# Allegro board RK3588S_Tablet_Demo_LP4XD200P232SD10H2_V11_20220218.brd (continued)
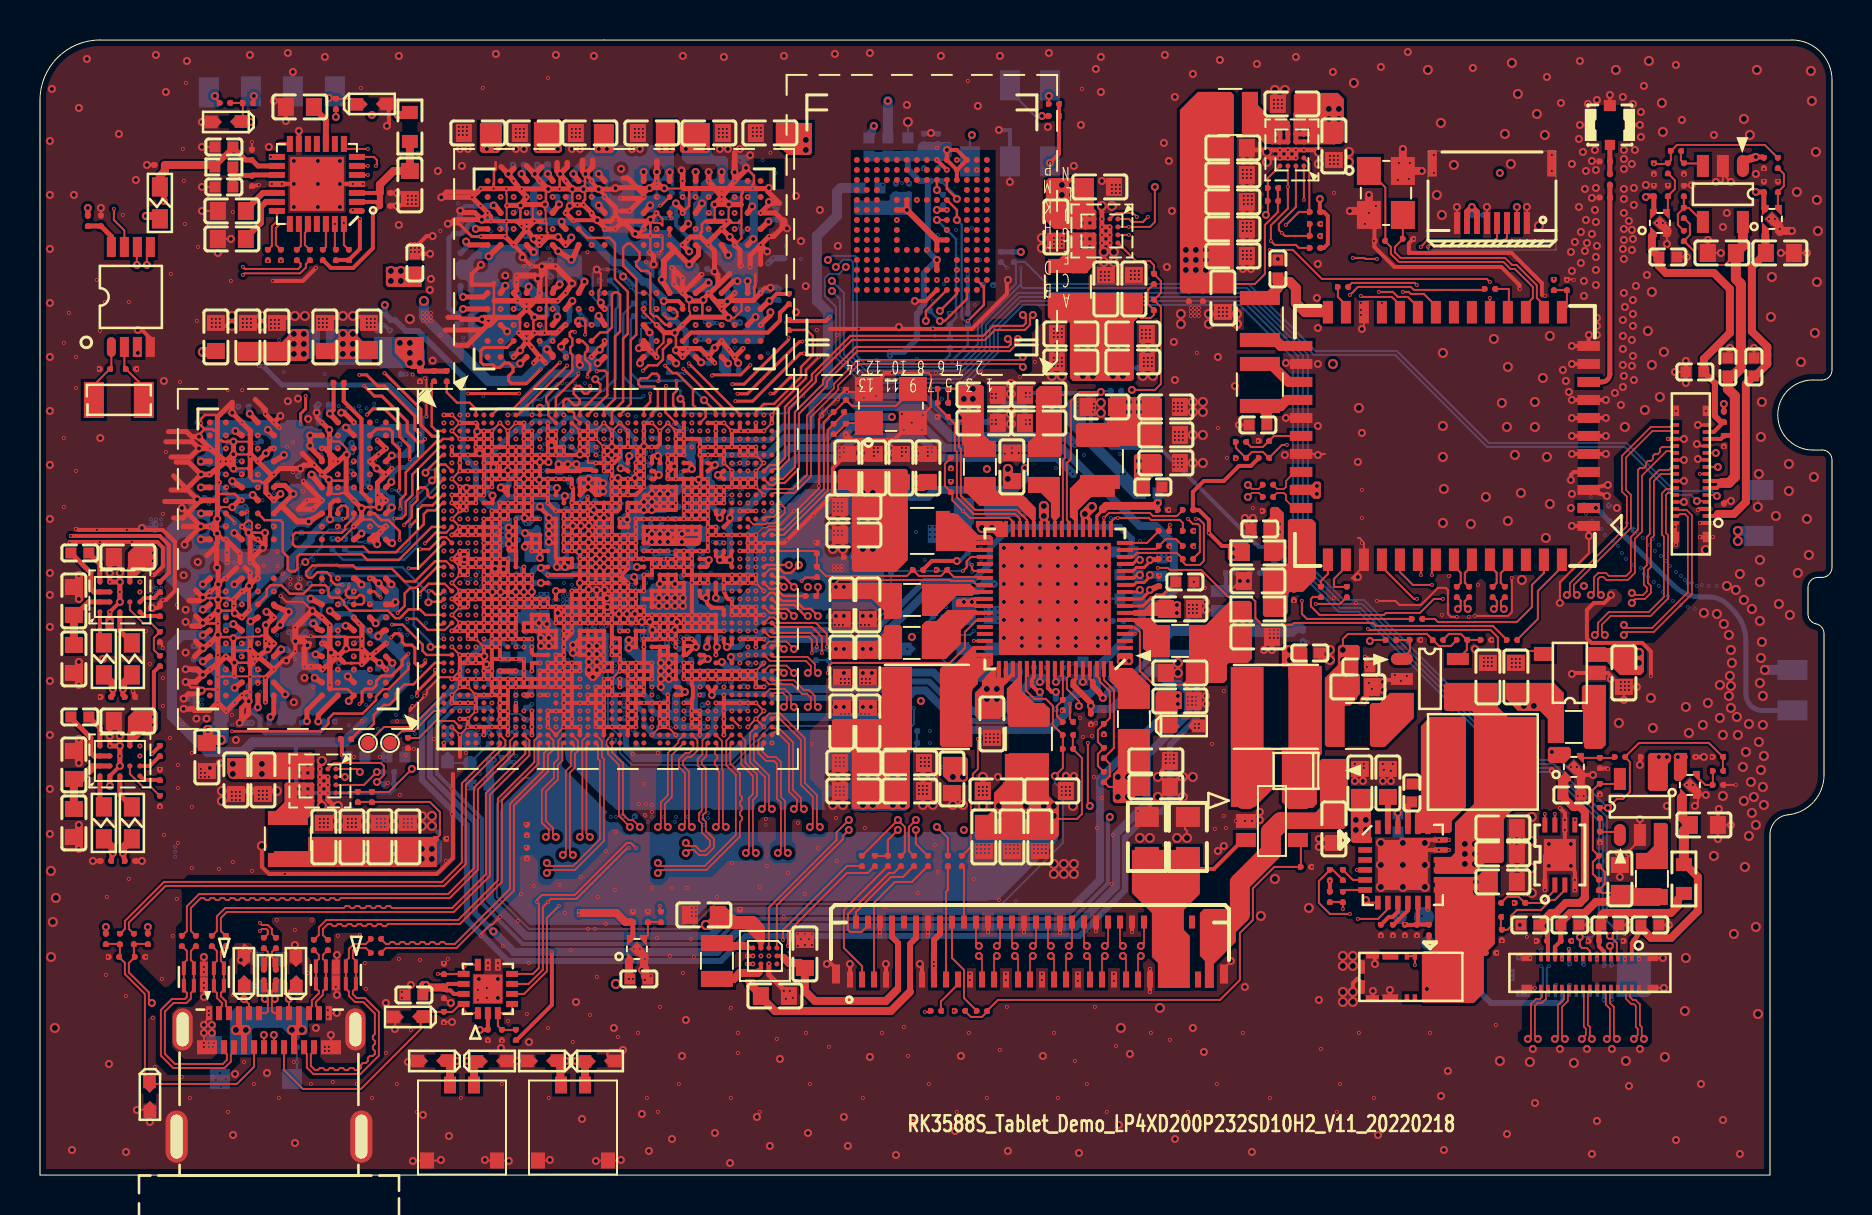
[diagram p0: board, top side]
## Routing (per net, layer and track width the routed paths; a pad name or vN(x,y) marks a point on that pad's centre or on a via; arc(x,y) is an arc through that point) (continued)
v5(29.99,51.3) v5(30.09,10.25) v5(30.09,3.05) v5(30.44,1.2) v5(31.6,1.8) v5(32.1,5.95) v5(32.14,55.95) v5(32.29,7.75) v5(33.74,2.1) v5(33.99,51.3) v5(34.19,55.9) v5(34.39,51.3) v5(34.5,0.6) v5(34.99,51.3) v5(35.84,2.9) v5(36.49,1.45) v5(36.99,5.8) v5(37.19,55.95) v5(37.35,47.33) v5(37.79,48.95) v5(38.05,46.69) v5(38.29,44.45) v5(38.39,29.4) v5(38.4,2.1) v5(38.99,48.25) v5(39.74,56.05) v5(39.89,46.45) v5(40.19,27.95) v5(40.19,25.1) v5(40.19,2.9) v5(40.39,1.45) v5(41.14,27.95) v5(41.14,25.1) v5(41.49,56.1) v5(41.49,5.9) v5(41.59,25.1) v5(42.8,1) v5(42.94,42.4) v5(43.34,53.5) v5(43.59,26.9) v5(43.64,2.6) v5(43.79,36.3) v5(43.79,35.85) v5(45.04,55.95) v5(45.75,2.2) v5(46.04,5.95) v5(46.89,53.45) v5(47.89,19.9) v5(47.99,55.95) v5(48.19,31.35) v5(48.19,30.45) v5(48.19,29.55) v5(48.19,28.65) v5(48.19,27.75) v5(48.19,26.85) v5(48.39,1.2) v5(49.09,31.35) v5(49.09,30.45) v5(49.09,29.55) v5(49.09,28.65) v5(49.09,27.75) v5(49.09,26.85) v5(49.09,26.45) v5(49.99,31.35) v5(49.99,30.45) v5(49.99,29.55) v5(49.99,28.65) v5(49.99,27.75) v5(49.99,26.85) v5(49.99,26.45) v5(50.14,5.95) v5(50.39,52.4) v5(50.44,56.1) v5(50.89,31.35) v5(50.89,30.45) v5(50.89,29.55) v5(50.89,28.65) v5(50.89,27.75) v5(50.89,26.85) v5(50.89,26.45) v5(51.29,19.95) v5(51.69,50.45) v5(51.69,19.95) v5(51.79,31.35) v5(51.79,30.45) v5(51.79,29.55) v5(51.79,28.65) v5(51.79,27.75) v5(51.79,26.85) v5(52.04,52.5) v5(51.95,1.1) v5(52.79,55.3) v5(52.89,31.35) v5(52.89,30.45) v5(52.89,29.55) v5(52.89,28.65) v5(52.89,27.75) v5(52.89,26.85) v5(52.89,26.45) v5(53.04,55.9) v5(53.04,54.15) v5(53.09,49.7) v5(53.29,31.35) v5(53.29,30.45) v5(53.29,29.55) v5(53.29,26.85) v5(53.94,2.5) v5(54.49,6.05) v5(56.19,51.6) v5(56.24,56) v5(56.34,45.4) v5(56.44,50.7) v5(56.59,48.2) v5(56.69,41.65) v5(56.74,53.9) v5(56.74,39.75) v5(56.75,1.8) v5(57.64,55.05) v5(57.64,7.35) v5(58.19,6.15) v5(58.29,28.65) v5(58.29,23.95) v5(58.89,40.9) v5(58.89,16.2) v5(58.99,55.75) v5(59.19,16.45) v5(59.74,39.45) v5(60.14,50.7) v5(60.14,48) v5(60.14,46.65) v5(60.14,45.3) v5(60.24,9.4) v5(60.54,50.7) v5(60.54,48) v5(60.54,46.65) v5(60.54,45.3) v5(60.59,1.15) v5(60.84,55.55) v5(60.99,18.15) v5(61.19,26.25) v5(61.89,45.8) v5(62.29,40.6) v5(62.79,55.9) v5(63.89,45.55) v5(63.84,43.85) v5(63.89,42.35) v5(63.89,40.55) v5(63.89,37.45) v5(63.94,8.75) v5(64.64,55.15) v5(65.74,19.7) v5(65.89,35.65) v5(66.09,37.1) v5(66.9,2) v5(67.04,55.4) v5(67.14,19.7) v5(68.39,56.15) v5(70.05,3.95) v5(70.19,1.25) v5(70.39,5.2) v5(71.64,55.35) v5(71.74,26.3) v5(73.35,2.05) v5(73.99,12.5) v5(74.64,6.3) v5(74.75,3.6) v5(75.34,54.9) v5(75.44,16.55) v5(75.44,15.45) v5(76.04,53.6) v5(75.99,6.3) v5(76.14,40.25) v5(76.29,39.7) v5(76.44,39.15) v5(76.54,46.15) v5(76.54,33.35) v5(76.54,16.55) v5(76.54,15.45) v5(76.59,50.55) v5(76.59,45.2) v5(76.59,34.05) v5(76.74,46.65) v5(76.94,51.8) v5(76.94,48.4) v5(76.99,55.7) v5(77.04,47.15) v5(77.04,45.6) v5(77.14,51.15) v5(77.19,44.7) v5(77.19,43.95) v5(77.19,29.45) v5(77.29,50.2) v5(77.24,49.3) v5(77.29,47.75) v5(77.24,46.2) v5(77.39,53.55) v5(77.34,46.6) v5(77.34,6.3) v5(77.59,47.05) v5(77.59,1.05) v5(77.74,51.25) v5(77.79,50.25) v5(77.79,49.35) v5(77.74,48.25) v5(77.79,47.65) v5(77.79,45.9) v5(77.79,45.25) v5(77.79,44.5) v5(77.84,53.75) v5(77.84,46.45) v5(77.84,42.85) v5(77.84,42.45) v5(77.84,42) v5(77.85,2.7) v5(78.59,6.3) v5(78.74,39.1) v5(78.84,33.35) v5(79.04,38.5) v5(79.14,53.9) v5(79.19,51.25) v5(79.19,50.8) v5(79.19,50.3) v5(79.19,49.3) v5(79.19,48.8) v5(79.19,48.1) v5(79.19,47.3) v5(79.19,46.75) v5(79.14,46.3) v5(79.19,45.8) v5(79.19,44.1) v5(79.14,42.75) v5(79.14,41.95) v5(79.14,41.3) v5(79.14,40.5) v5(79.19,39.95) v5(79.14,39.4) v5(79.24,43.4) v5(79.44,47.7) v5(79.45,4.45) v5(79.64,53.55) v5(79.59,50.55) v5(79.59,47.25) v5(79.64,46.8) v5(79.59,46.25) v5(79.64,43.75) v5(79.64,43.05) v5(79.64,42.45) v5(79.59,41.75) v5(79.64,40.95) v5(79.59,40.45) v5(79.69,49.35) v5(79.69,48.5) v5(79.69,39.75) v5(79.74,51.25) v5(79.79,44.45) v5(80.04,53.15) v5(80.04,51.9) v5(79.99,6.3) v5(80.19,54.45) v5(80.29,49.5) v5(80.34,45) v5(81.34,18.45) v5(81.79,55.5) v5(81.8,1.75) v5(82.09,52.75) v5(83.05,4.55) v5(83.69,52) v5(84.14,47.4) v5(84.15,2.75) v5(84.34,48.1) v5(84.99,1.05) v5(85.79,50.05) v6(3.34,13.9) v6(3.29,10) v6(4.44,14.8) v6(5.64,7.85) v6(5.74,5.4) v6(6.09,9.8) v6(6.64,11.95) v6(6.84,13.8) v6(7.09,4.9) v6(7.14,51.3) v6(7.19,49.7) v6(7.29,54.6) v6(7.24,47.55) v6(7.59,15.35) v6(8.04,20.3) v6(8.04,20.1) v6(8.04,19.9) v6(8.19,10.15) v6(8.19,9.6) v6(8.24,20.1) v6(8.24,19.9) v6(8.44,8.2) v6(8.44,8) v6(8.44,6.6) v6(8.44,6.4) v6(8.59,42.8) v6(8.59,42.6) v6(8.59,42.4) v6(8.64,6.4) v6(8.64,4.9) v6(8.69,6.6) v6(8.79,42.8) v6(8.79,42.4) v6(8.99,42.8) v6(8.99,42.6) v6(8.99,42.4) v6(8.94,15.3) v6(9.64,15.65) v6(9.64,9) v6(10.14,42.8) v6(10.14,42.6) v6(10.14,42.4) v6(10.19,5.65) v6(10.34,42.8) v6(10.34,42.6) v6(10.34,42.4) v6(10.54,42.8) v6(10.54,42.6) v6(10.54,42.4) v6(10.59,15.2) v6(10.79,9.45) v6(11.54,42.75) v6(11.54,42.55) v6(11.54,42.35) v6(11.74,42.75) v6(11.74,42.55) v6(11.74,42.35) v6(11.84,12.75) v6(11.94,42.75) v6(11.94,42.55) v6(11.94,42.35) v6(12.19,9.45) v6(12.24,15.05) v6(12.74,12.25) v6(12.69,5.65) v6(13.04,8.8) v6(13.39,10.1) v6(13.59,12.75) v6(13.94,42.8) v6(13.94,42.6) v6(13.94,42.4) v6(14.14,42.8) v6(14.14,42.6) v6(14.14,42.4) v6(14.24,6.4) v6(14.24,6.2) v6(14.34,42.8) v6(14.34,42.6) v6(14.34,42.4) v6(14.39,19.5) v6(14.39,19.1) v6(14.39,8.25) v6(14.39,7.9) v6(14.49,24.5) v6(14.44,6.4) v6(14.44,6.2) v6(14.64,4.65) v6(14.89,11.95) v6(15.99,12) v6(16.09,22.7) v6(16.24,10.6) v6(16.34,42.8) v6(16.34,42.6) v6(16.34,42.4) v6(16.29,9.3) v6(16.54,42.8) v6(16.54,42.6) v6(16.54,42.4) v6(16.74,42.8) v6(16.74,42.6) v6(16.74,42.4) v6(17.29,6.1) v6(17.85,22.69) v6(17.94,10.8) v6(18.09,9.15) v6(18.09,8.85) v6(18.39,48.95) v6(18.39,48.75) v6(18.39,48.55) v6(18.59,48.95) v6(18.59,48.75) v6(18.59,48.55) v6(18.54,46.55) v6(18.54,46.35) v6(18.54,46.15) v6(18.54,7.25) v6(18.74,46.55) v6(18.79,48.95) v6(18.79,48.75) v6(18.79,48.55) v6(18.84,3.15) v6(18.94,46.55) v6(18.94,46.35) v6(18.94,46.15) v6(18.99,39.65) v6(18.99,10.75) v6(19.14,43.1) v6(19.14,42.9) v6(19.14,42.7) v6(19.34,43.1) v6(19.34,42.9) v6(19.34,42.7) v6(19.54,43.1) v6(19.54,42.9) v6(19.54,42.7) v6(20.19,10.6) v6(20.19,7.6) v6(20.34,16.83) v6(20.39,10.8) v6(20.59,18.05) v6(20.94,52.4) v6(20.94,52.2) v6(20.94,52) v6(20.94,20.25) v6(21.14,52.4) v6(21.14,52.2) v6(21.14,52) v6(21.34,52.4) v6(21.34,52.2) v6(21.34,52) v6(21.41,25.99) v6(21.89,9.25) v6(21.89,8.75) v6(22.4,10.6) v6(22.4,10.35) v6(22.34,9.35) v6(22.34,8.85) v6(22.9,10.6) v6(22.9,10.35) v6(23.14,11.45) v6(23.39,7.7) v6(23.79,52.3) v6(23.79,52.1) v6(23.79,51.9) v6(23.89,12.7) v6(23.99,52.3) v6(23.99,52.1) v6(23.99,51.9) v6(24.04,14.05) v6(24.19,52.3) v6(24.19,52.1) v6(24.19,51.9) v6(24.35,16.95) v6(24.35,15.8) v6(24.44,10.6) v6(24.34,8.05) v6(24.69,14.45) v6(25.39,7.35) v6(25.99,14.5) v6(26.24,13.1) v6(26.54,11.25) v6(26.59,52.3) v6(26.59,52.1) v6(26.59,51.9) v6(26.64,6.65) v6(26.79,52.3) v6(26.79,52.1) v6(26.79,51.9) v6(26.99,52.3) v6(26.99,52.1) v6(26.99,51.9) v6(27.04,14.9) v6(27.49,8) v6(27.84,9.9) v6(27.89,13.9) v6(28.29,16.2) v6(28.29,12.55) v6(28.74,14.25) v6(28.79,17.15) v6(28.89,6.9) v6(29.64,21.05) v6(29.64,13.2) v6(29.74,52.3) v6(29.74,52.1) v6(29.74,51.9) v6(29.94,52.3) v6(29.94,52.1) v6(29.94,51.9) v6(30.14,52.3) v6(30.14,52.1) v6(30.14,51.9) v6(30.19,23.6) v6(30.19,19.55) v6(30.29,18.55) v6(30.24,18) v6(30.39,13.2) v6(30.59,18.5) v6(30.59,18.15) v6(30.59,14.35) v6(30.89,21.1) v6(30.99,8.4) v6(31.49,10.95) v6(31.59,14.35) v6(32.34,14.35) v6(32.59,33.6) v6(32.69,10.9) v6(33.94,52.3) v6(33.94,52.1) v6(33.94,51.9) v6(33.84,13.9) v6(34.14,52.3) v6(34.14,52.1) v6(34.14,51.9) v6(34.34,52.3) v6(34.34,52.1) v6(34.34,51.9) v6(34.59,15.6) v6(34.54,8.35) v6(35.64,52.35) v6(35.64,52.15) v6(35.64,51.95) v6(35.84,52.35) v6(35.84,52.15) v6(35.84,51.95) v6(35.99,14.4) v6(36.04,52.35) v6(36.04,52.15) v6(36.04,51.95) v6(36.29,17.8) v6(36.34,15.45) v6(36.59,21.6) v6(37.19,12.9) v6(37.34,31.75) v6(37.39,15.1) v6(37.89,17.6) v6(38.24,14.05) v6(38.59,21.55) v6(38.69,32.95) v6(38.74,31.65) v6(38.84,42.25) v6(38.89,16.35) v6(39.34,33.7) v6(39.69,33.6) v6(39.69,33.4) v6(39.69,33.2) v6(39.69,32.2) v6(39.69,32) v6(39.69,30.45) v6(39.69,30.25) v6(39.74,27.5) v6(39.84,42) v6(39.79,20.85) v6(39.79,20.65) v6(39.79,20.45) v6(39.79,19.4) v6(39.79,19.2) v6(39.79,19) v6(39.79,17.85) v6(39.84,15.7) v6(39.89,33.6) v6(39.89,33.4) v6(39.89,33.2) v6(39.89,32.2) v6(39.89,32) v6(39.89,30.45) v6(39.89,30.25) v6(39.99,36.35) v6(39.99,36.1) v6(39.99,35.9) v6(39.94,27.5) v6(39.99,20.85) v6(39.99,20.65) v6(39.99,20.45) v6(39.99,19.4) v6(39.99,19.2) v6(39.99,19) v6(40.09,33.6) v6(40.09,33.4) v6(40.09,33.2) v6(40.09,32.2) v6(40.09,32) v6(40.09,30.45) v6(40.09,30.25) v6(40.04,24.8) v6(40.04,24.6) v6(40.04,23.05) v6(40.19,36.35) v6(40.14,27.5) v6(40.24,24.8) v6(40.24,24.6) v6(40.24,23.05) v6(40.19,20.85) v6(40.19,20.65) v6(40.19,20.45) v6(40.19,19.4) v6(40.19,19.2) v6(40.19,19) v6(40.44,24.8) v6(40.44,24.6) v6(40.44,23.05) v6(41.04,27.5) v6(41.09,24.8) v6(41.09,24.6) v6(41.04,23.05) v6(41.24,27.5) v6(41.24,23.05) v6(41.24,17.35) v6(41.29,24.8) v6(41.29,24.6) v6(41.44,27.5) v6(41.49,24.8) v6(41.49,24.6) v6(41.44,23.05) v6(41.69,36.35) v6(41.69,36.15) v6(41.69,35.95) v6(41.89,36.35) v6(41.89,36.15) v6(42.24,13.4) v6(43.09,36.35) v6(43.09,36.15) v6(43.09,35.95) v6(43.19,7.4) v6(43.29,36.35) v6(43.29,36.15) v6(43.89,14.1) v6(43.94,19.45) v6(43.94,19.25) v6(43.94,19.05) v6(44.04,20.85) v6(44.04,20.65) v6(44.04,20.45) v6(44.24,20.85) v6(44.24,20.65) v6(44.24,20.45) v6(44.14,19.45) v6(44.14,19.25) v6(44.14,19.05) v6(44.34,19.45) v6(44.34,19.25) v6(44.34,19.05) v6(44.39,36.35) v6(44.39,36.15) v6(44.39,35.95) v6(44.44,20.85) v6(44.44,20.65) v6(44.44,20.45) v6(44.59,36.35) v6(44.59,36.15) v6(44.79,40.1) v6(44.84,37.9) v6(44.79,30.25) v6(44.74,16.5) v6(44.85,51.35) v6(44.89,15.15) v6(44.89,13.5) v6(45.54,35.3) v6(45.54,34.7) v6(46.39,54.7) v6(46.69,14.8) v6(46.84,16.5) v6(46.84,16.3) v6(46.84,16.1) v6(46.74,13.5) v6(47.04,40.15) v6(46.94,19.4) v6(46.94,19.2) v6(46.94,19) v6(47.04,16.5) v6(47.04,16.3) v6(47.04,16.1) v6(47.14,19.4) v6(47.14,19.2) v6(47.14,19) v6(47.29,22.05) v6(47.29,21.85) v6(47.29,21.65) v6(47.34,19.4) v6(47.34,19.2) v6(47.34,19) v6(47.24,16.5) v6(47.24,16.3) v6(47.24,16.1) v6(47.49,22.05) v6(47.49,21.85) v6(47.49,21.65) v6(47.44,16.5) v6(47.44,16.3) v6(47.44,16.1) v6(47.59,39.05) v6(47.59,38.85) v6(47.59,37.75) v6(47.59,37.55) v6(47.69,22.05) v6(47.69,21.85) v6(47.69,21.65) v6(47.79,39.05) v6(47.79,38.85) v6(47.79,37.75) v6(47.79,37.55) v6(47.89,22.05) v6(47.89,21.85) v6(47.89,21.65) v6(47.94,13.75) v6(48.24,36.05) v6(48.29,16.5) v6(48.29,16.3) v6(48.29,16.1) v6(48.34,8.4) v6(48.49,16.5) v6(48.49,16.3) v6(48.49,16.1) v6(48.59,36.35) v6(48.59,36.1) v6(48.69,16.5) v6(48.69,16.3) v6(48.69,16.1) v6(48.89,16.5) v6(48.89,16.3) v6(48.89,16.1) v6(48.99,39.9) v6(48.94,36.1) v6(49.29,39.1) v6(49.29,38.9) v6(49.29,37.75) v6(49.29,37.55) v6(49.49,39.1) v6(49.49,38.9) v6(49.49,37.75) v6(49.49,37.55) v6(49.69,16.5) v6(49.69,16.3) v6(49.69,16.1) v6(49.74,40.65) v6(49.89,16.5) v6(49.89,16.3) v6(49.89,16.1) v6(50.09,16.5) v6(50.09,16.3) v6(50.09,16.1) v6(50.29,16.5) v6(50.29,16.3) v6(50.29,16.1) v6(51.09,23.2) v6(51.09,19.4) v6(51.09,19.2) v6(51.09,19) v6(51.29,19.4) v6(51.29,19.2) v6(51.29,19) v6(51.49,19.4) v6(51.49,19.2) v6(51.49,19) v6(52,22.85) v6(51.99,13.6) v6(52.09,54.3) v6(52.15,21.9) v6(52.64,38.15) v6(52.55,22.5) v6(52.6,21.95) v6(52.69,38.55) v6(52.69,38.35) v6(52.69,19.9) v6(52.8,22.6) v6(52.84,17.35) v6(52.74,8.4) v6(53.09,18.85) v6(53.19,23.2) v6(53.19,22) v6(53.59,49.5) v6(53.59,49.3) v6(53.59,49.1) v6(53.64,17) v6(53.59,14.55) v6(53.79,49.5) v6(53.79,49.3) v6(53.79,49.1) v6(53.99,49.5) v6(53.99,49.3) v6(53.99,49.1) v6(54.89,18.2) v6(56.29,21) v6(56.29,20.8) v6(56.29,20.6) v6(56.49,21) v6(56.49,20.8) v6(56.49,20.6) v6(56.69,38.6) v6(56.69,38.4) v6(56.69,38.2) v6(56.69,35.8) v6(56.69,35.6) v6(56.69,35.4) v6(56.69,21) v6(56.69,20.8) v6(56.69,20.6) v6(56.74,37.15) v6(56.74,36.95) v6(56.74,36.75) v6(56.89,38.6) v6(56.89,38.4) v6(56.89,38.2) v6(56.89,35.8) v6(56.89,35.6) v6(56.89,35.4) v6(56.94,37.15) v6(56.94,36.95) v6(56.94,36.75) v6(57.09,38.6) v6(57.09,38.4) v6(57.09,38.2) v6(57.09,35.8) v6(57.09,35.4) v6(57.14,37.15) v6(57.14,36.95) v6(57.14,36.75) v6(57.39,23.9) v6(57.39,23.7) v6(57.39,23.5) v6(57.59,23.9) v6(57.59,23.7) v6(57.59,23.5) v6(57.69,32.2) v6(57.84,41.1) v6(57.79,23.9) v6(57.79,23.7) v6(57.79,23.5) v6(57.74,22.55) v6(57.74,22.35) v6(57.94,22.55) v6(57.94,22.35) v6(58.24,29.35) v6(58.59,21.55) v6(58.79,18.5) v6(58.74,17.3) v6(58.89,37.35) v6(59.19,24.2) v6(59.19,17.95) v6(59.29,17.35) v6(59.79,17.7) v6(60.14,50.25) v6(60.14,50.05) v6(60.14,49.85) v6(60.19,48.95) v6(60.19,48.75) v6(60.19,48.55) v6(60.14,47.6) v6(60.14,47.4) v6(60.14,47.2) v6(60.34,50.25) v6(60.34,50.05) v6(60.34,49.85) v6(60.34,47.6) v6(60.34,47.4) v6(60.34,47.2) v6(60.39,48.95) v6(60.39,48.75) v6(60.39,48.55) v6(60.54,50.25) v6(60.54,50.05) v6(60.54,49.85) v6(60.54,47.6) v6(60.54,47.4) v6(60.54,47.2) v6(60.59,48.95) v6(60.59,48.75) v6(60.59,48.55) v6(60.59,17.7) v6(61.49,27.25) v6(61.49,27.05) v6(61.49,26.85) v6(61.69,27.25) v6(61.69,27.05) v6(61.69,26.85) v6(61.89,27.25) v6(61.89,27.05) v6(61.89,26.85) v6(62.69,28.7) v6(64.69,49.1) v6(64.69,28.85) v6(65.79,28.6) v6(65.74,20.55) v6(65.74,20.3) v6(66.19,20.55) v6(66.19,20.35) v6(66.44,24.6) v6(66.59,24.3) v6(67.04,11.95) v6(67.14,20.55) v6(67.19,20.25) v6(67.64,20.55) v6(67.64,11.95) v6(67.74,25) v6(68.04,24.7) v6(68.24,11.95) v6(68.34,24.95) v6(68.84,11.95) v6(69.04,26.75) v6(70.09,28) v6(72.19,25.85) v6(72.19,25.65) v6(72.19,25.45) v6(72.39,25.85) v6(72.39,25.65) v6(72.39,25.45) v6(72.59,25.85) v6(72.59,25.65) v6(72.59,25.45) v6(72.79,7.5) v6(73.59,25.8) v6(73.59,25.6) v6(73.59,25.4) v6(73.79,25.8) v6(73.79,25.6) v6(73.79,25.4) v6(73.99,25.8) v6(73.99,25.6) v6(73.99,25.4) v6(74.79,11.7) v6(76.54,20.4) v6(76.84,20.4) v6(76.89,18.95) v6(77.19,18.95) v6(79.04,24.65) v6(79.04,24.45) v6(79.04,24.25) v6(79.14,11.7) v6(79.24,24.65) v6(79.24,24.45) v6(79.24,24.25) v6(79.24,12.05) v6(79.44,24.65) v6(79.44,24.45) v6(79.44,24.25) v6(81.74,32.4) v7(3.99,50.6) v7(5.49,51.2) v7(6.44,53.1) v7(7.09,12.25) v7(7.09,11.7) v7(7.09,11.15) v7(7.19,10.8) v7(7.19,9.9) v7(7.19,9) v7(7.69,10.8) v7(7.69,9.9) v7(7.69,9) v7(7.79,12.2) v7(7.79,11.7) v7(7.79,11.15) v7(7.89,53.6) v7(8.04,38.19) v7(8.59,12.25) v7(8.59,11.7) v7(8.64,11.15) v7(8.69,10.8) v7(8.69,9.9) v7(8.69,9) v7(8.86,30.88) v7(8.89,6) v7(8.97,29.12) v7(9.11,29.99) v7(9.19,32.82) v7(9.16,32.16) v7(9.19,10.8) v7(9.19,9.9) v7(9.19,9) v7(9.26,29.52) v7(9.27,28.16) v7(9.29,12.2) v7(9.29,11.7) v7(9.34,11.15) v7(9.39,8.6) v7(9.44,7.6) v7(9.61,26.5) v7(9.58,25.91) v7(9.71,33.74) v7(9.71,31.55) v7(9.99,5.95) v7(10.11,30.5) v7(10.13,29.99) v7(10.29,54.85) v7(10.38,29.86) v7(10.74,35.32) v7(10.87,29.55) v7(11.38,31.71) v7(11.63,29.55) v7(11.76,32.09) v7(11.79,13.7) v7(12.01,34.44) v7(12.06,31.45) v7(12.29,14.3) v7(12.39,29.04) v7(12.52,34.54) v7(12.9,34.56) v7(13.03,31.07) v7(12.99,14.3) v7(13.24,54.35) v7(13.14,8.15) v7(13.24,5.85) v7(13.41,34.05) v7(13.41,31.07) v7(13.54,34.44) v7(13.49,7.6) v7(13.69,12) v7(13.74,11.5) v7(13.74,9.1) v7(13.79,10.95) v7(13.99,10) v7(13.94,8.55) v7(13.99,6.65) v7(14.09,7.6) v7(14.17,31.33) v7(14.19,29.61) v7(14.17,28.48) v7(14.24,9.1) v7(14.34,10.95) v7(14.39,12) v7(14.49,22.7) v7(14.44,11.5) v7(14.59,10.05) v7(15.24,54.85) v7(15.31,34.56) v7(15.29,10.9) v7(15.29,10) v7(15.29,9.1) v7(15.39,34.18) v7(15.49,9.6) v7(15.69,27.07) v7(15.79,10.9) v7(15.79,10) v7(15.79,9.1) v7(16.2,27.45) v7(16.33,34.69) v7(16.49,10.8) v7(16.54,12.1) v7(16.54,11.4) v7(16.84,31.2) v7(17.04,12.05) v7(17.04,11.45) v7(17.04,10.8) v7(17.22,31.71) v7(17.34,54.35) v7(17.39,11.6) v7(17.52,31.15) v7(17.61,27.86) v7(17.84,13.3) v7(18.11,30.44) v7(19.24,12.95) v7(19.53,30.44) v7(19.63,40.22) v7(20.1,30.44) v7(20.24,13.65) v7(20.29,54.35) v7(20.27,38.57) v7(20.52,38.31) v7(20.79,37.05) v7(20.79,14.2) v7(20.94,37.2) v7(21.49,54.85) v7(22.44,30.55) v7(22.44,30.25) v7(22.4,28.21) v7(22.48,28.66) v7(22.79,31) v7(22.81,27.8) v7(22.94,15.1) v7(23.01,35.14) v7(23.2,28.21) v7(23.19,27.82) v7(23.2,27.41) v7(23.61,27.78) v7(23.6,27.41) v7(23.54,18.7) v7(23.69,13.55) v7(23.84,30.23) v7(24,29.8) v7(23.99,28.2) v7(24.38,29.8) v7(24.46,27.14) v7(24.59,29.8) v7(24.79,35.05) v7(24.79,29.95) v7(24.81,28.61) v7(24.84,15.8) v7(24.97,35.24) v7(24.99,14.85) v7(25.16,34.99) v7(25.19,34.51) v7(25.19,28.58) v7(25.39,35.2) v7(25.54,17.25) v7(25.54,16.5) v7(25.6,25.43) v7(25.73,27.26) v7(25.74,54.35) v7(26.01,35.04) v7(26,27.79) v7(26,27.42) v7(26.29,27) v7(26.24,26.6) v7(26.24,26.2) v7(26.24,25.8) v7(26.39,35.04) v7(26.41,34.6) v7(26.38,27.73) v7(26.41,27.42) v7(26.39,15.6) v7(26.49,28.7) v7(26.49,17.2) v7(26.49,16.6) v7(26.61,36.03) v7(26.59,27.8) v7(26.69,28.9) v7(26.69,28.7) v7(26.82,34.15) v7(26.79,33.81) v7(26.82,32.17) v7(26.79,29.1) v7(26.81,27.73) v7(26.81,27.45) v7(26.82,27.19) v7(27.1,33) v7(27.15,33.79) v7(27.19,27.75) v7(27.2,27.42) v7(27.14,15.7) v7(27.29,29) v7(27.29,28.6) v7(27.24,28.2) v7(27.48,27.29) v7(27.59,29.6) v7(27.59,28.95) v7(27.59,27.8) v7(27.71,27.31) v7(27.79,32.2) v7(27.76,26.88) v7(27.94,32.6) v7(27.94,28.6) v7(27.99,29.6) v7(27.99,28.95) v7(27.99,27.8) v7(28.01,24.6) v7(27.99,17.2) v7(27.99,16.6) v7(28.14,40.98) v7(28.04,28.25) v7(28.17,42.12) v7(28.27,47.82) v7(28.39,49.09) v7(28.39,48.07) v7(28.39,35.75) v7(28.39,32.55) v7(28.39,32.1) v7(28.39,27.8) v7(28.52,47.2) v7(28.54,25.4) v7(28.52,25.18) v7(28.64,54.85) v7(28.59,29.8) v7(28.65,46.31) v7(28.74,33.45) v7(28.7,25.82) v7(28.7,25.61) v7(28.78,27.8) v7(28.79,27.45) v7(28.8,25.38) v7(28.9,40.85) v7(28.9,40.47) v7(28.84,29.8) v7(29.03,45.91) v7(29.03,45.66) v7(29.14,34.15) v7(29.15,31.41) v7(29.16,29.04) v7(29.52,35.12) v7(29.59,34.58) v7(29.56,31.73) v7(29.62,31.43) v7(29.61,27.77) v7(29.79,27.2) v7(29.89,32.25) v7(29.99,35.5) v7(30.04,35) v7(30.02,34.63) v7(29.97,34.22) v7(30.04,28.2) v7(30.19,27.2) v7(30.44,35.75) v7(30.44,25.35) v7(30.44,25.15) v7(30.44,24.95) v7(30.54,35.15) v7(30.45,26.55) v7(30.64,34.65) v7(30.78,26.96) v7(30.81,26.53) v7(30.99,35.55) v7(31.11,26.98) v7(31.14,26.55) v7(31.21,35.39) v7(31.19,30.4) v7(31.19,27.75) v7(31.54,54.85) v7(31.49,26.58) v7(31.59,35.05) v7(31.59,30.8) v7(31.59,30.4) v7(31.89,35.05) v7(31.92,26.25) v7(31.99,31.2) v7(31.99,30.4) v7(32.19,35.1) v7(32.41,32.88) v7(32.39,31.2) v7(32.39,30.4) v7(32.49,34.85) v7(32.46,34.59) v7(32.81,34.2) v7(32.79,31.2) v7(32.84,27.8) v7(32.89,30.5) v7(32.89,16.3) v7(32.99,35.2) v7(33.19,34.6) v7(33.22,34.2) v7(33.19,33.82) v7(33.19,33.45) v7(33.19,25.4) v7(33.19,25.2) v7(33.19,25) v7(33.19,24.8) v7(33.24,14.85) v7(33.39,36.2) v7(33.39,35.2) v7(33.59,36) v7(33.59,34.6) v7(33.6,34.2) v7(33.58,33.79) v7(33.6,33.41) v7(33.59,33.05) v7(33.99,36) v7(33.99,34.6) v7(33.96,34.22) v7(34.01,33.82) v7(34.03,33.41) v7(34.24,30.06) v7(34.29,35.2) v7(34.29,30.3) v7(34.39,54.85) v7(34.36,48.85) v7(34.39,34.6) v7(34.39,29.9) v7(34.59,34.6) v7(34.79,34.8) v7(34.79,34.6) v7(34.79,14.85) v7(34.84,33.1) v7(35.19,34.8) v7(35.25,37.55) v7(35.29,32.8) v7(35.29,32.6) v7(35.51,37.42) v7(35.54,32.7) v7(35.79,35.6) v7(35.79,35.4) v7(35.99,35.5) v7(36.34,28.1) v7(36.74,21.95) v7(36.79,54.35) v7(37.67,38.44) v7(38.09,29.4) v7(39.74,54.85) v7(41.94,54.35) v7(42.79,54.85) v7(43.64,54.45) v7(45.74,52.4) v7(49.89,51.1) v7(51.14,11.9) v7(52.49,51.1) v7(52.94,51.6) v7(55.19,48.4) v7(55.99,46.55) v7(57.24,47.7) v7(59.09,46.5) v7(60.84,33.9) v7(61.34,34.5) v7(61.39,33.9) v7(61.64,44.1) v7(61.64,41.9) v7(61.64,39.15) v7(61.64,37.35) v7(61.89,34.5) v7(61.94,33.9) v7(62.34,35.15) v7(62.34,33.25) v7(62.49,45) v7(62.49,42.6) v7(63.09,34.75) v7(63.09,33.75) v7(63.74,35.15) v7(70.69,31.45) v7(70.79,30.1) v7(70.84,29.7) v7(70.84,29.15) v7(71.14,28.75) v7(71.44,29.65) v7(71.44,29.15) v7(71.59,31.45) v7(71.59,30.1) v7(71.79,28.85) v7(72.29,28.8) v7(72.49,31.45) v7(72.49,30.1) v7(72.64,29.7) v7(72.64,29.15) v7(72.64,27.85) v7(72.99,28.75) v7(73.24,29.65) v7(73.24,29.15) v7(73.24,27.85) v7(73.39,31.45) v7(73.39,30.1) v7(73.49,28.8) v8(8.22,37.1) v8(8.47,36.34) v8(8.6,37.48) v8(8.6,35.71) v8(8.73,34.31) v8(8.98,26.31) v8(9.11,37.74) v8(9.11,31.64) v8(9.85,35.07) v8(9.85,26.56) v8(10,34.33) v8(10.02,26.28) v8(10.61,34.69) v8(10.74,25.55) v8(10.87,34.94) v8(10.87,26.69) v8(11,26.43) v8(11.76,35.83) v8(11.78,32.66) v8(11.76,24.78) v8(11.88,36.34) v8(11.88,35.39) v8(11.88,30.18) v8(11.85,29.89) v8(11.88,25.8) v8(12.01,37.36) v8(12.16,30.65) v8(12.27,36.59) v8(12.33,32.85) v8(12.27,31.58) v8(12.27,25.42) v8(12.39,31.84) v8(12.39,30.06) v8(12.52,37.23) v8(12.72,30.6) v8(12.77,36.72) v8(12.77,24.85) v8(12.77,23.01) v8(12.9,37.61) v8(12.9,36.09) v8(13.03,36.34) v8(13.03,23.83) v8(13.15,23.58) v8(13.28,36.09) v8(13.3,30.12) v8(13.54,34.44) v8(13.54,33.93) v8(13.54,24.47) v8(13.68,31.51) v8(13.66,23.2) v8(13.79,33.87) v8(13.79,33.04) v8(13.81,29.99) v8(13.92,32.4) v8(14.04,33.17) v8(14.04,27.26) v8(14.04,23.96) v8(14.04,21.48) v8(14.17,29.99) v8(14.3,31.01) v8(14.42,23.58) v8(14.42,22.44) v8(14.55,31.01) v8(14.57,29.99) v8(14.81,24.44) v8(14.81,23.2) v8(14.94,22.95) v8(14.99,23.9) v8(15.41,24.01) v8(15.46,31.26) v8(15.82,25.48) v8(15.95,22.49) v8(16.08,36.72) v8(16.08,25.61) v8(16.35,37.3) v8(16.58,39.13) v8(16.73,40.34) v8(16.96,39.07) v8(16.96,36.91) v8(17.22,38.73) v8(17.22,22.56) v8(17.47,38.95) v8(17.66,39.07) v8(17.85,39.2) v8(18.04,40) v8(18.23,37.1) v8(18.36,38.82) v8(18.74,37.1) v8(18.87,24.34) v8(19,37.3) v8(19.25,36.97) v8(19.3,23.25) v8(19.5,38.82) v8(19.5,37.17) v8(19.76,40.34) v8(20.14,46.44) v8(20.52,46.44) v8(20.52,45.42) v8(20.52,40.22) v8(20.64,30.6) v8(20.77,38.57) v8(20.84,30.1) v8(21.03,38.57) v8(21.04,30.45) v8(21.41,45.42) v8(21.54,30.6) v8(21.66,44.53) v8(22.54,32.1) v8(22.54,31.35) v8(22.69,31.95) v8(22.81,44.92) v8(22.79,31.35) v8(22.93,41.36) v8(23.04,33.75) v8(23.19,46.44) v8(23.29,34.05) v8(23.7,39.07) v8(23.82,45.93) v8(23.82,40.09) v8(23.95,47.46) v8(24.33,39.96) v8(24.46,45.42) v8(24.6,23.2) v8(24.71,49.21) v8(24.71,31.31) v8(24.84,48.73) v8(24.84,47.2) v8(25.09,47.33) v8(25.59,21.35) v8(25.74,22.65) v8(26.24,26.95) v8(26.24,26.75) v8(26.24,26.55) v8(26.24,26.35) v8(26.24,26.15) v8(26.24,25.95) v8(26.49,36.3) v8(26.52,32.78) v8(26.54,27.35) v8(26.54,27.1) v8(26.54,23.4) v8(26.44,21.8) v8(26.72,28.91) v8(26.74,27.1) v8(27,41.87) v8(26.94,27.1) v8(27.25,33.99) v8(27.34,21.35) v8(27.38,44.15) v8(27.38,43.14) v8(27.38,33.74) v8(27.63,42.5) v8(27.54,22.5) v8(27.71,35.59) v8(27.76,41.61) v8(28.01,41.87) v8(28.04,21.95) v8(28.27,42.38) v8(28.29,21.35) v8(28.39,44.39) v8(28.39,44.03) v8(28.39,43.63) v8(28.39,42.86) v8(28.39,41.98) v8(28.39,41.09) v8(28.36,32.59) v8(28.36,32.09) v8(28.52,44.9) v8(28.47,35.26) v8(28.65,41.74) v8(28.84,32.05) v8(29.04,31.95) v8(29.24,21.95) v8(29.28,42.25) v8(29.41,30.57) v8(29.54,30.9) v8(29.66,42.74) v8(29.66,33.7) v8(29.66,33.36) v8(29.66,33.11) v8(29.92,44.52) v8(30.05,49.09) v8(30.05,34.12) v8(30.05,32.85) v8(30.19,32.3) v8(30.14,22.45) v8(30.14,22.2) v8(30.3,44.77) v8(30.29,32.85) v8(30.32,28.38) v8(30.81,44.28) v8(30.93,26.68) v8(30.93,26.48) v8(31.06,46.42) v8(31.06,45.79) v8(31.44,44.41) v8(31.57,44.15) v8(31.92,28.05) v8(31.98,26.12) v8(32.33,44.15) v8(32.34,27.55) v8(32.59,49.49) v8(32.59,36.53) v8(32.74,48.2) v8(32.84,44.66) v8(32.97,45.8) v8(32.97,37.04) v8(33.09,45.17) v8(33.09,36.2) v8(33.23,36.51) v8(33.25,35.9) v8(33.35,49.6) v8(33.35,47.33) v8(33.35,46.82) v8(33.35,46.31) v8(33.35,45.93) v8(33.35,36.2) v8(33.47,36.66) v8(34.11,49.6) v8(34.11,44.03) v8(34.24,46.44) v8(34.24,36.66) v8(34.49,45.3) v8(34.49,36.53) v8(34.62,42.5) v8(34.62,37.42) v8(34.74,45.17) v8(34.87,49.74) v8(34.87,36.53) v8(35,44.28) v8(35.13,42.12) v8(35.25,43.14) v8(35.25,38.57) v8(35.51,49.98) v8(35.49,41.34) v8(35.51,40.47) v8(35.51,36.53) v8(35.89,49.6) v8(36.14,37.17) v8(36.78,39.84) v8(38.05,40.09) v8(38.55,42.25) v8(38.55,41.59) v8(38.55,40.6) v9(6.75,16.42) v9(6.75,16.16) v9(6.75,15.91) v9(8.44,33.55) v9(11.01,24.15) v9(11.94,41.75) v9(12.19,40.15) v9(14.04,35.99) v9(14.24,40.05) v9(14.9,26.95) v9(15,33.31) v9(14.94,25.6) v9(15.84,26.69) v9(16.48,23.77) v9(17.99,36.55) v9(18.99,28.9) v9(19.29,27.6) v9(19.94,26.8) v9(20.14,27.01) v9(21.08,42.56) v9(21.39,19.65) v9(21.39,19.35) v9(21.69,19.5) v9(21.99,20.05) v9(22.39,30.55) v9(22.55,47.18) v9(22.69,28.3) v9(22.69,27.65) v9(22.74,24.2) v9(22.79,27.95) v9(22.94,28.25) v9(22.99,23.95) v9(23.06,52.52) v9(23.19,28) v9(23.35,27.04) v9(23.54,24.55) v9(23.79,20.95) v9(24.14,24.55) v9(24.46,41.85) v9(25.6,39.33) v9(26.32,27.8) v9(26.74,39.58) v9(26.69,31.9) v9(27.25,39.58) v9(27.77,28.78) v9(28.54,17.9) v9(28.69,21.75) v9(28.79,17.9) v9(28.89,28.8) v9(28.89,28.6) v9(28.89,28.4) v9(29.09,28.75) v9(29.09,28.55) v9(29.16,38.06) v9(29.22,24.05) v9(29.19,23.75) v9(29.19,23.48) v9(29.22,23.13) v9(29.24,22.88) v9(29.14,17.9) v9(29.29,28.75) v9(29.29,28.55) v9(29.49,28.75) v9(29.49,28.55) v9(29.54,25.43) v9(29.54,25.05) v9(29.49,23.75) v9(29.49,22.85) v9(29.79,37.93) v9(29.79,29.15) v9(29.79,22.85) v9(30.09,29.4) v9(30.09,24.85) v9(30.09,24.5) v9(30.14,21.33) v9(30.29,17.95) v9(30.37,30.15) v9(30.39,17.65) v9(30.59,29.93) v9(30.59,24.15) v9(30.59,22.7) v9(30.59,17.9) v9(30.74,32.85) v9(30.74,30.55) v9(30.94,32.85) v9(30.89,27.55) v9(30.89,23.9) v9(30.94,23.6) v9(30.89,22.4) v9(30.99,30) v9(31.06,42.61) v9(31.19,17.9) v9(31.29,27.1) v9(31.24,23.6) v9(31.24,22.5) v9(31.44,37.55) v9(31.54,22.35) v9(31.72,43.19) v9(31.69,35.75) v9(31.69,30) v9(31.79,17.9) v9(31.74,17.65) v9(31.89,25.2) v9(32.09,30) v9(32.39,30) v9(32.39,23.35) v9(32.39,17.9) v9(32.54,25.7) v9(32.69,30) v9(32.99,31) v9(33.04,30.1) v9(33.09,23.5) v9(33.09,18.05) v9(33.14,17.8) v9(33.19,17.5) v9(33.39,18.1) v9(33.39,17.85) v9(33.64,31.65) v9(33.54,30.1) v9(33.78,32.39) v9(33.84,29.9) v9(33.99,31.65) v9(34.11,34.27) v9(34.36,34.27) v9(34.49,29.85) v9(34.64,34.4) v9(34.54,26.85) v9(34.54,24.7) v9(34.69,28.85) v9(35.19,24.4) v9(35.38,51.37) v9(35.49,25.5) v9(36.09,25.5) v9(36.29,26.75) v9(36.29,17.5) v9(36.4,41.09) v9(36.34,24.5) v9(37.67,39.56) v9(40.04,39.3) v9(41.84,49.25) v9(42.14,49.5) v9(42.24,39.3) v9(42.54,31.6) v9(42.74,33.25) v9(42.79,49.6) v9(43.09,49.6) v9(43.44,49.6) v9(43.79,32.15) v9(44.19,50.3) v9(44.24,30.75) v9(44.49,32.4) v9(44.49,32.15) v9(44.49,31.9) v9(44.54,28.6) v9(44.49,22.2) v9(44.49,21.6) v9(44.64,43.7) v9(44.74,41.95) v9(44.74,32.4) v9(44.74,32.15) v9(44.74,31.9) v9(44.89,50.3) v9(44.89,47) v9(44.94,32.4) v9(44.94,32.15) v9(44.94,31.9) v9(45.09,38.8) v9(45.09,20.4) v9(45.19,44.55) v9(45.49,43.1) v9(45.79,47.25) v9(46.59,47.35) v9(46.74,43.5) v9(46.99,45.75) v9(47.04,31.35) v9(47.04,30.75) v9(47.29,28.3) v9(47.29,28) v9(47.29,27.7) v9(47.54,38.75) v9(47.64,44.45) v9(47.59,28.3) v9(47.59,28) v9(47.59,27.7) v9(47.89,28.3) v9(47.89,28) v9(47.89,27.7) v9(48.79,13.7) v9(49.84,38.7) v9(50.34,25.4) v9(50.79,35.35) v9(52.19,36) v9(52.19,25.6) v9(53.54,32.85) v9(53.99,36.05) v9(53.99,30.45) v9(54.04,29.9) v9(54.99,31.7) v9(55.49,23.1) v9(55.59,27.9) v9(55.94,31) v9(55.94,30.8) v9(56.19,31) v9(71.74,10.3) v9(71.74,10.05) v9(72.04,10.3) v9(72.04,10.05) v9(73.99,9.1) v9(74.39,9.1)
